# Altium PCB EPS.PcbDoc (part 1 of 10)
Units mm, origin at the board's own origin, x right, y up, seen from the top; angles counter-clockwise.
Board outline 90.25 x 93.64 mm, 8 copper layers (Top Layer, PGND, Power, Control Signals 1, Control Signals 2, Signal 1, Signal 2, Bottom Layer), stack 1.637 mm thick; 941 components, 557 nets, 2694 pads, 869 vias.
Unrouted connection lines stored in the file: 2.
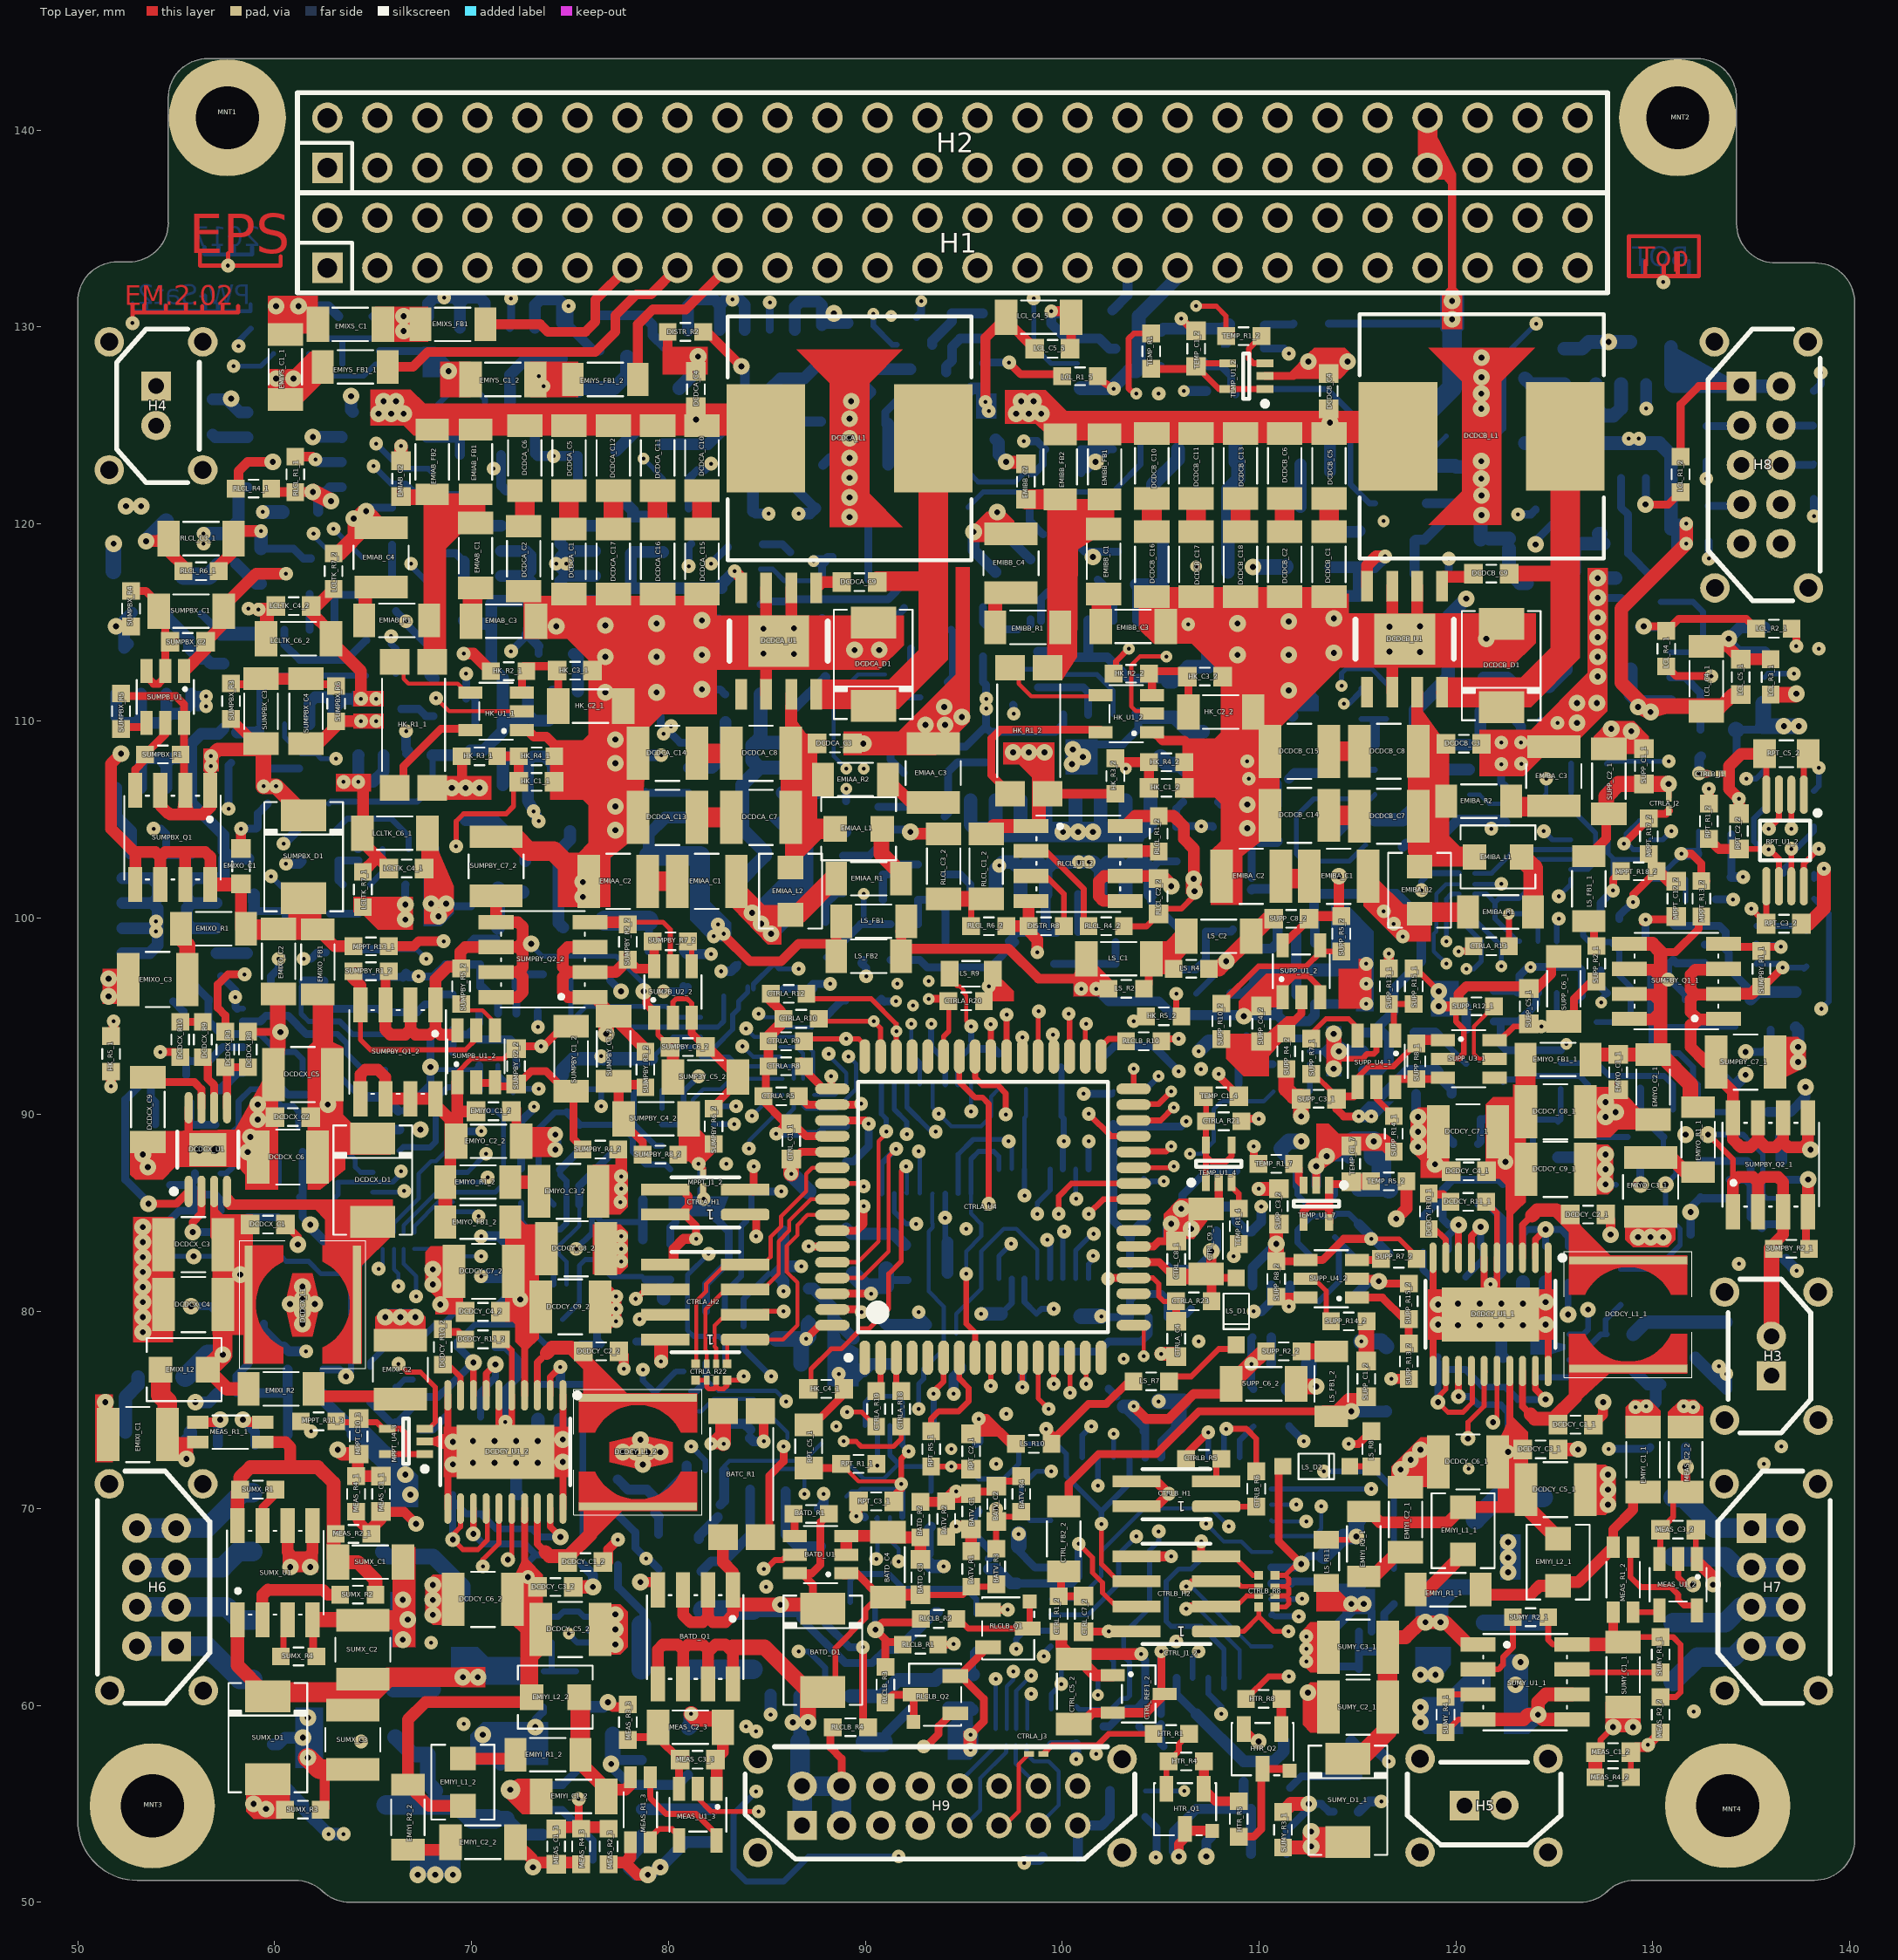
[diagram p0: Top Layer view]
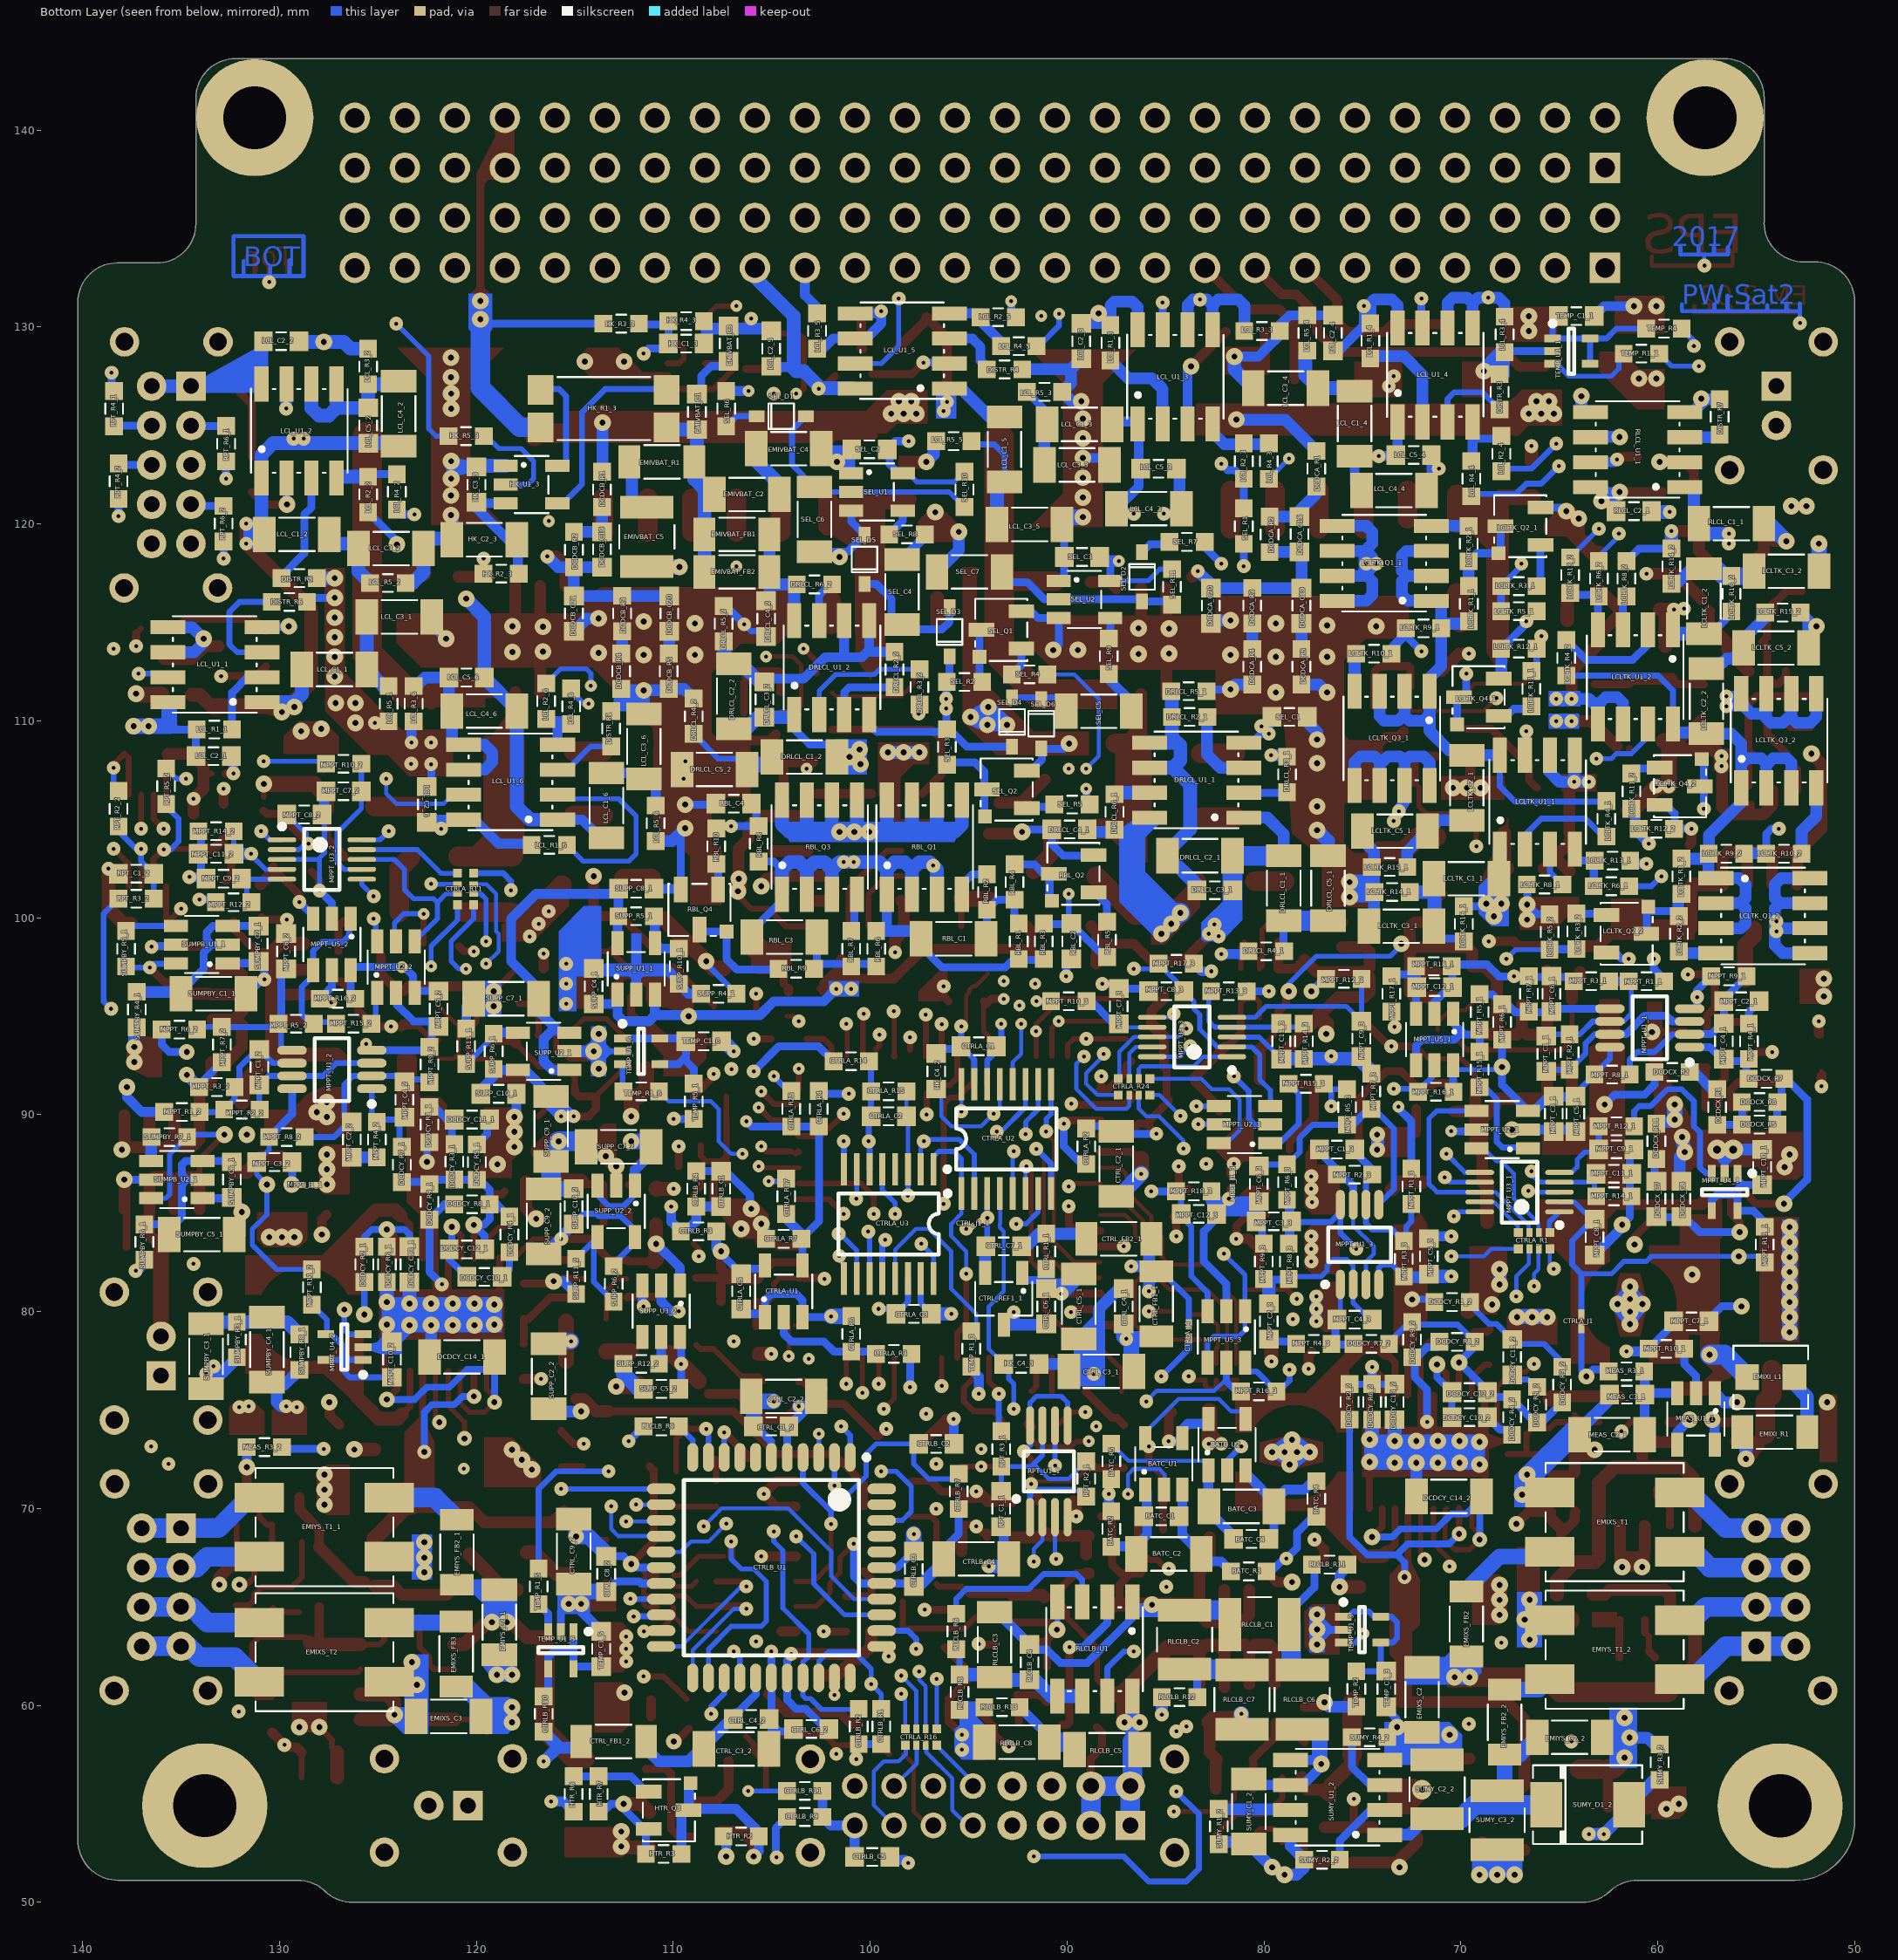
[diagram p1: Bottom Layer view, seen from below]
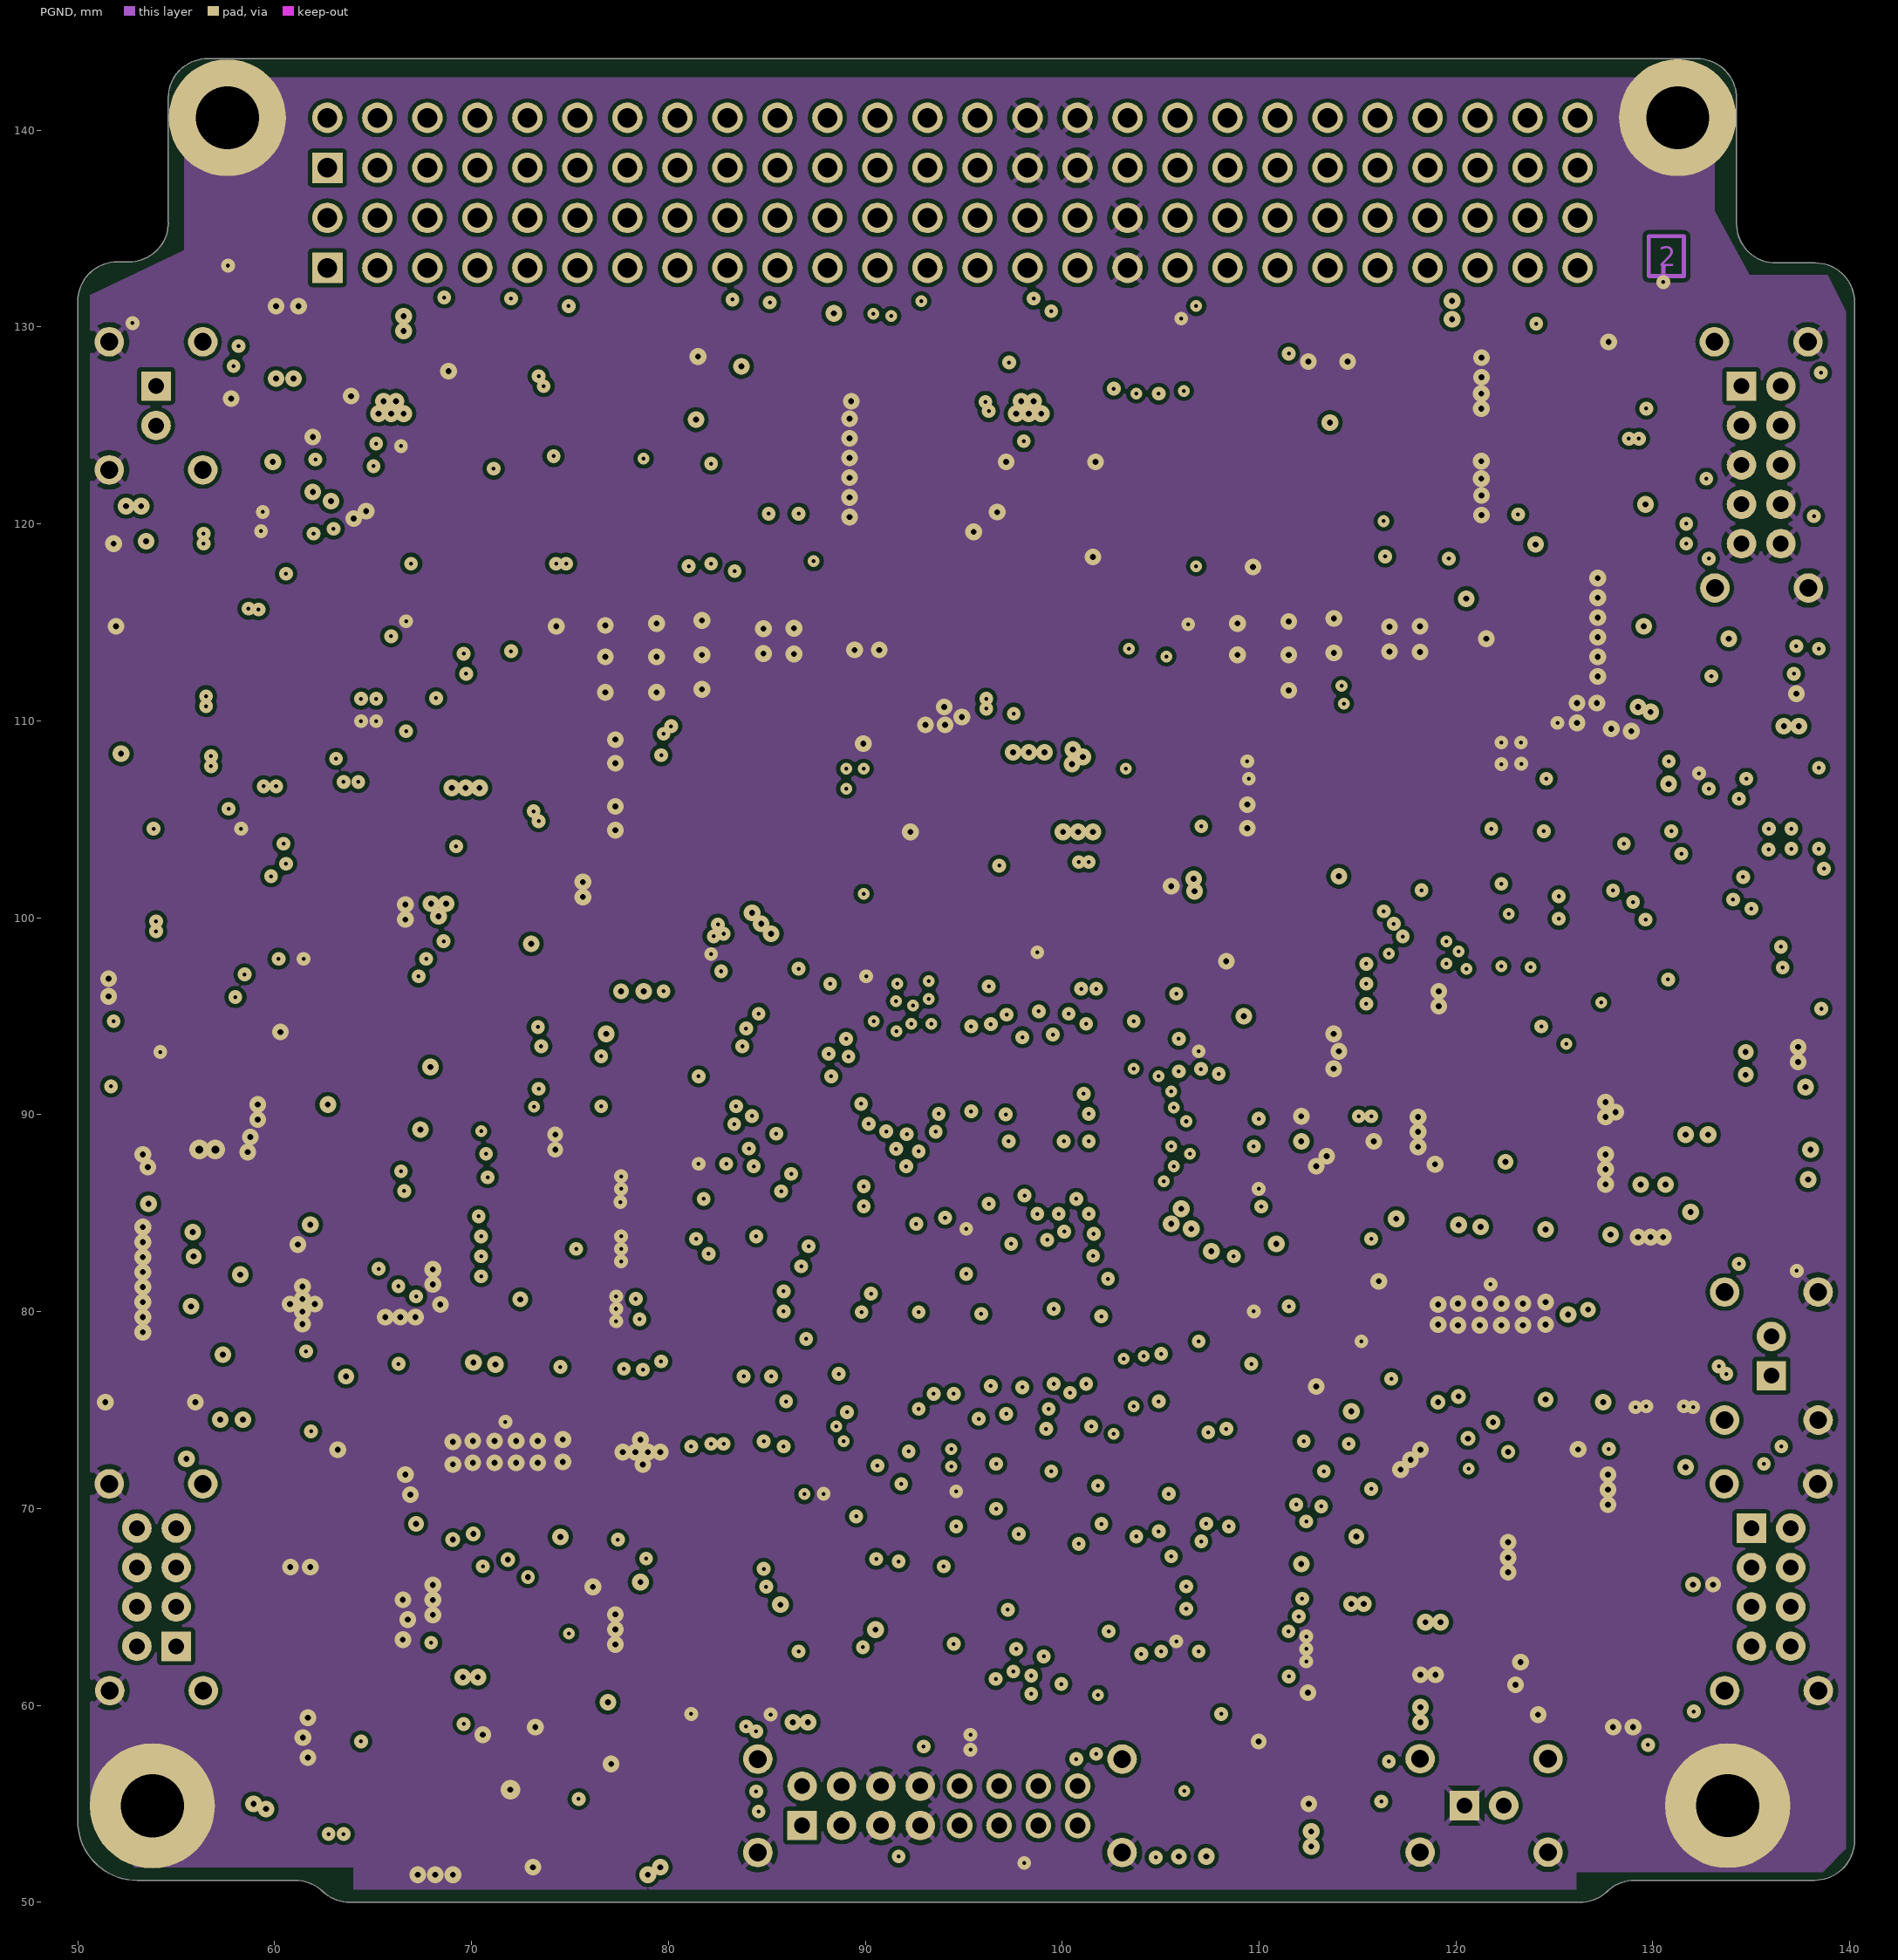
[diagram p2: PGND]